# KiCad board SNES_LoROM_Flash_1-1.kicad_pcb
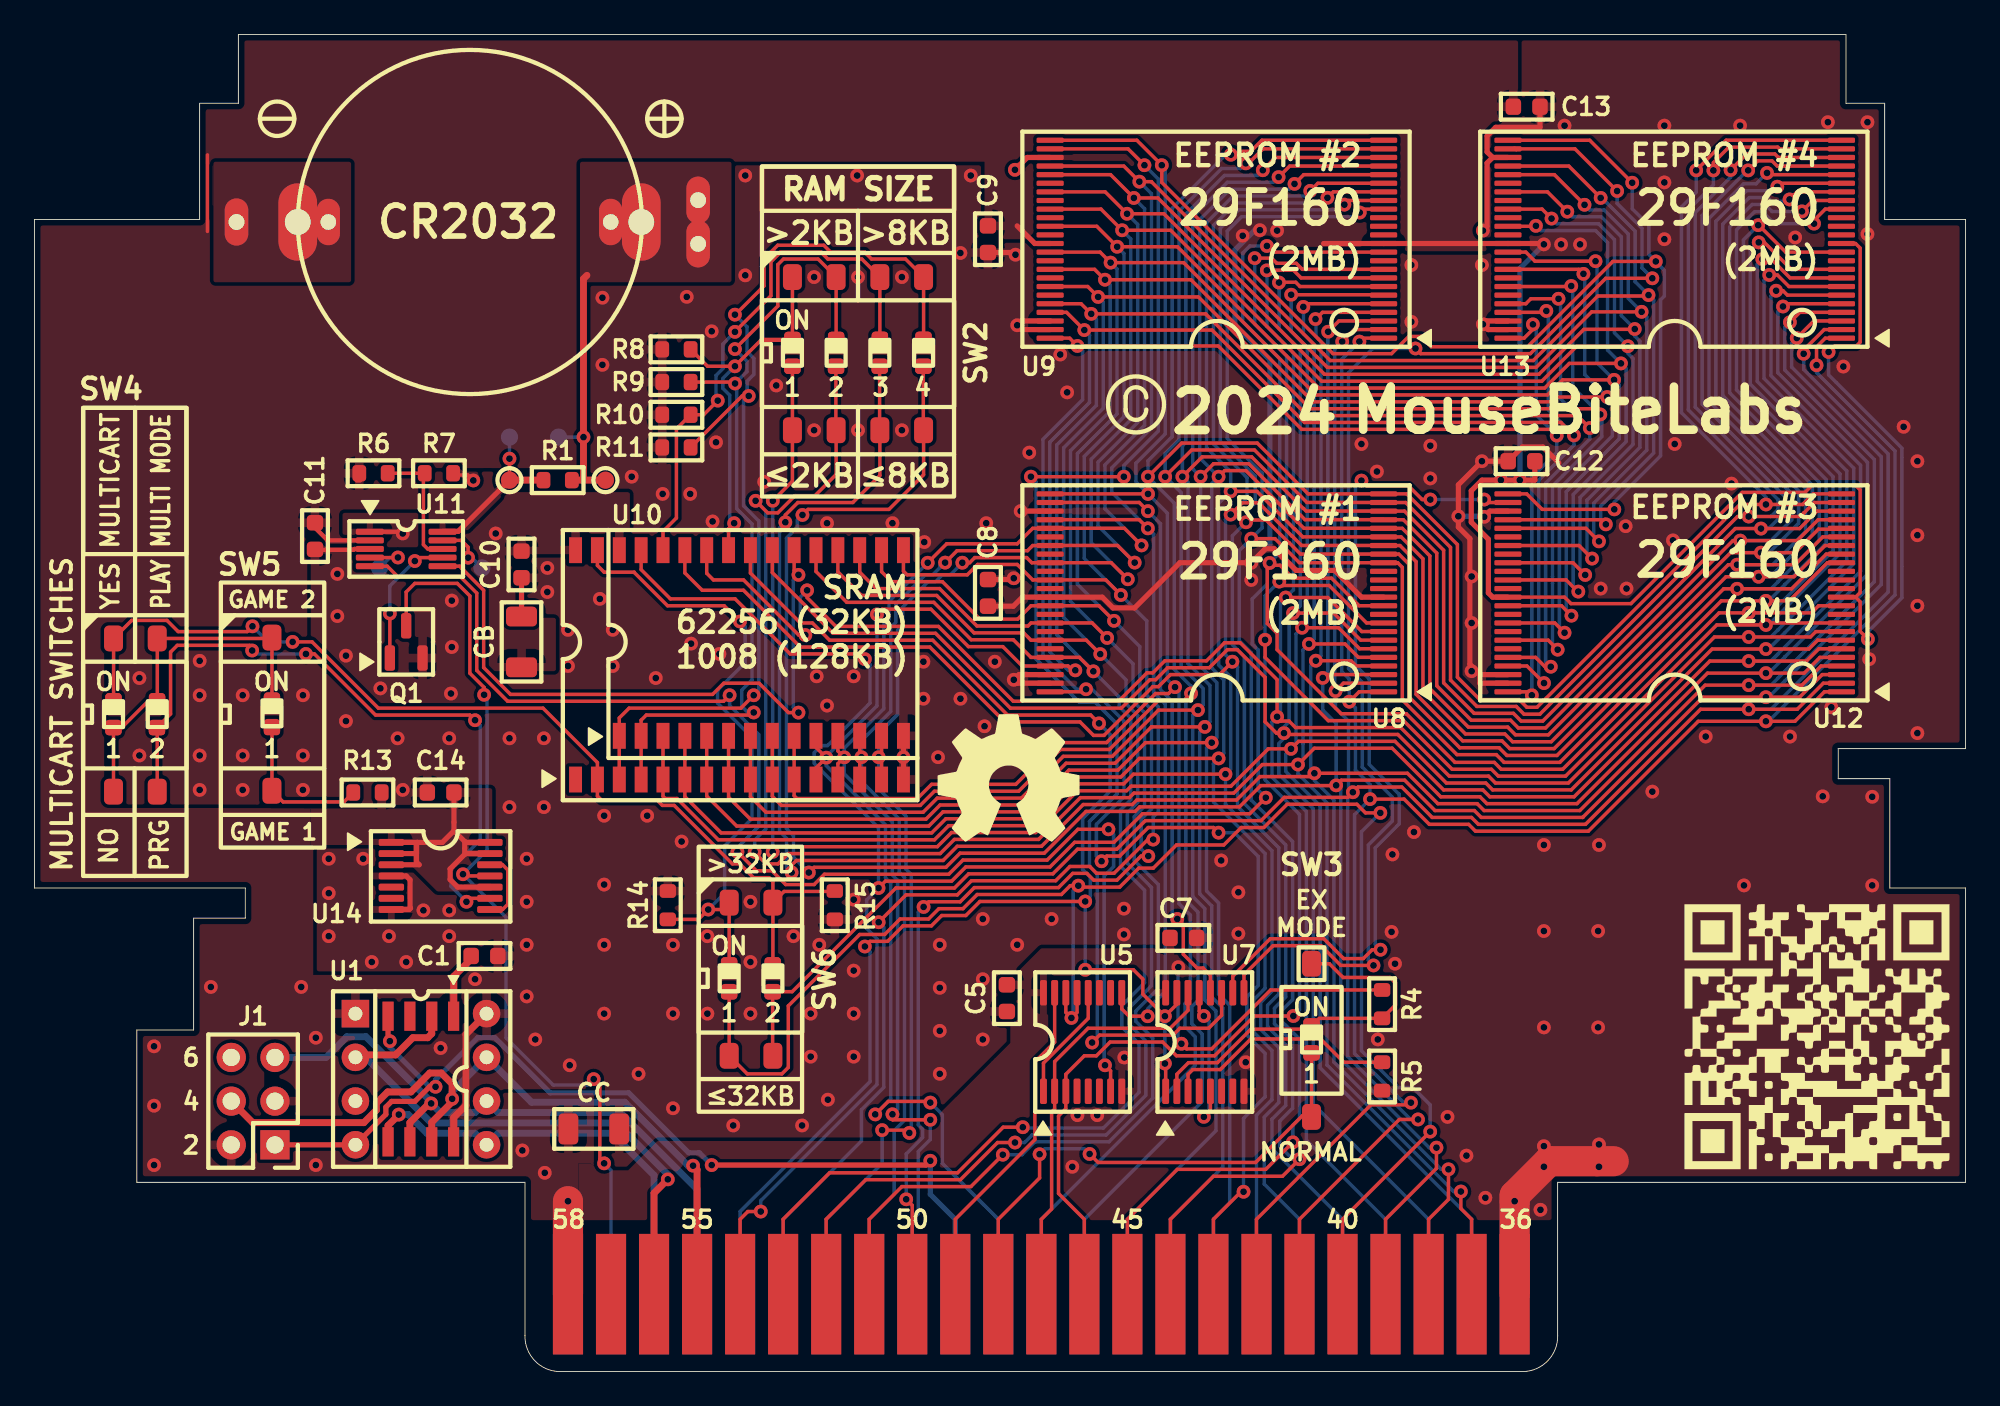
[diagram p0: board, top side]
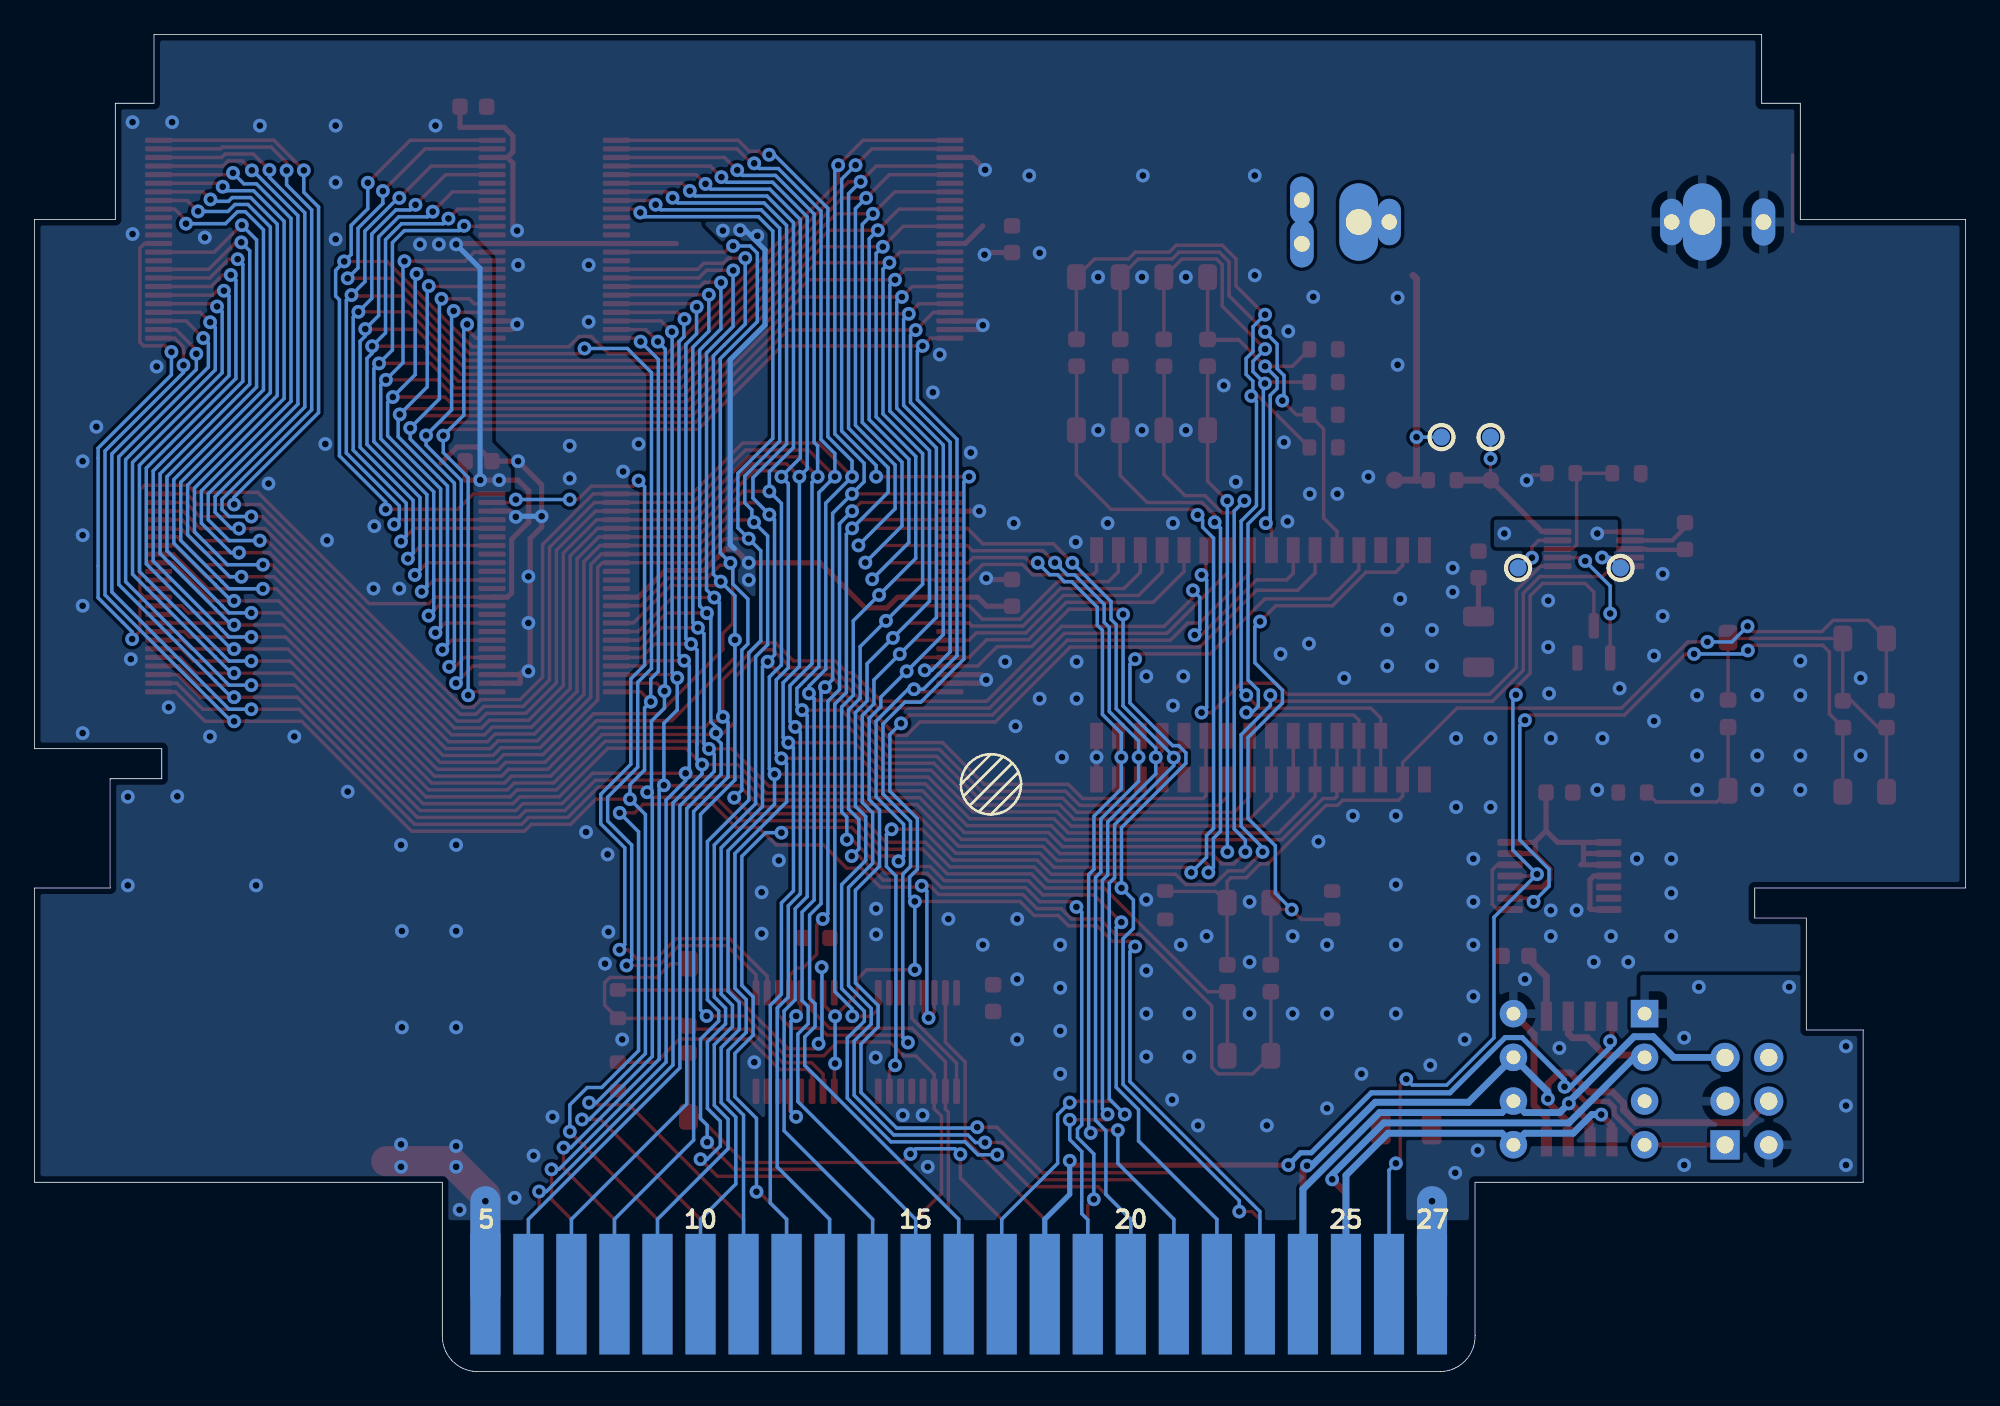
[diagram p1: board, bottom side, seen from below]

Outline 112.2 x 77.7 mm; copper layers: Top, Bottom. Coordinates in mm from the lower left corner of the outline.
Outline path: 25.75,11 5.95,11 5.95,19.85 9.25,19.85 9.25,26.35 12.25,26.35 12.25,28.1 0,28.1 0,66.95 9.6,66.95 9.6,73.7 11.85,73.7 11.85,77.7 105.25,77.7 105.25,73.7 107.5,73.7 107.5,66.95 112.2,66.95 112.2,36.2 104.8,36.2 104.8,34.45 107.8,34.45 107.8,28.1 112.2,28.1 112.2,11 91.25,11
Stack: Top 0.035mm / dielectric 1.51mm FR4 er 4.5 / Bottom 0.035mm

## Placement (name value [footprint] x y rotation side)
BT1  Battery_Cell  [CR_battery]  25.1 66.8 0 top
C1  0.1u  [C_0603_1608Metric_Boxed]  26.15 24.15 0 top
C5  0.1u  [C_0603_1608Metric_Boxed]  56.5 21.7 270 top
C7  0.1u  [C_0603_1608Metric_Boxed]  66.75 25.2 0 top
C8  0.1u  [C_0603_1608Metric_Boxed]  55.4 45.25 90 top
C9  0.1u  [C_0603_1608Metric_Boxed]  55.4 65.8 270 top
C10  0.1u  [C_0603_1608Metric_Boxed]  28.3 46.9 270 top
C11  0.1u  [C_0603_1608Metric_Boxed]  16.3 48.55 270 top
C12  0.1u  [C_0603_1608Metric_Boxed]  86.4 52.9 180 top
C13  0.1u  [C_0603_1608Metric_Boxed]  86.7 73.5 0 top
C14  0.1u  [C_0603_1608Metric_Boxed]  23.6 33.65 180 top
CB  22u  [C_1206_3216Metric_Boxed]  28.3 42.4 90 top
CC  22u  [C_1206_3216Metric_Boxed]  32.5 14.1 0 top
G***  -  [LOGO]  103.6 19.42 0 top
G***#2  -  [LOGO]  56.6 34.5 0 top
G***#3  -  [LOGO]  25.1 66.8 180 bottom
J1  Conn_02x03_Odd_Even  [PinHeader_2x03_P2.54mm_Vertical]  13.97 13.17 180 top
P1  SNES_Cartridge  [Cart_Edge_SNES_Standard]  58.5 4.5 0 top
Q1  2N7002  [SOT-23]  21.6 42.4 90 top
R1  10k  [R_0603_1608Metric_Boxed]  30.4 51.8 180 top
R4  100k  [R_0603_1608Metric_Boxed]  78.3 21.35 270 top
R5  100k  [R_0603_1608Metric_Boxed]  78.3 17.15 270 top
R6  130k  [R_0603_1608Metric_Boxed]  19.7 52.2 0 top
R7  49.9k  [R_0603_1608Metric_Boxed]  23.5 52.2 0 top
R8  100k  [R_0603_1608Metric_Boxed]  37.3 59.4 0 top
R9  100k  [R_0603_1608Metric_Boxed]  37.3 57.5 0 top
R10  100k  [R_0603_1608Metric_Boxed]  37.3 55.6 0 top
R11  100k  [R_0603_1608Metric_Boxed]  37.3 53.7 0 top
R13  10k  [R_0603_1608Metric_Boxed]  19.35 33.65 180 top
R14  100k  [R_0603_1608Metric_Boxed]  36.8 27.1 270 top
R15  100k  [R_0603_1608Metric_Boxed]  46.5 27.1 270 top
RS2A1  0  [R_0603_1608Metric_NoSilk]  44.04 59.2 90 top
RS2B1  0  [R_0603_1608Metric_NoSilk]  46.58 59.2 90 top
RS2C1  0  [R_0603_1608Metric_NoSilk]  49.12 59.2 90 top
RS2D1  0  [R_0603_1608Metric_NoSilk]  51.65 59.2 90 top
RS3  0  [R_0603_1608Metric_NoSilk]  74.2 19.3 90 top
RS4A1  0  [R_0603_1608Metric_NoSilk]  4.59 38.2 90 top
RS4B1  0  [R_0603_1608Metric_NoSilk]  7.12 38.2 90 top
RS5  0  [R_0603_1608Metric_NoSilk]  13.8 38.2 90 top
RS6A1  0  [R_0603_1608Metric_NoSilk]  40.36 22.85 90 top
RS6B1  0  [R_0603_1608Metric_NoSilk]  42.89 22.85 90 top
SW2  SW_DIP_x04  [SPSTx4_SMT_0603]  44.04 54.7 0 top
SW3  SW_SPST  [SPST_SMT_0603]  74.2 14.8 0 top
SW4  SW_DIP_x02  [SPSTx2_SMT_0603]  4.59 33.7 0 top
SW5  SW_SPST  [SPST_SMT_0603]  13.8 33.75 0 top
SW6  SW_DIP_x02  [SPSTx2_SMT_0603]  40.36 18.35 0 top
TP1  TestPoint  [TestPoint_Pad_D1.0mm]  33.17 51.8 0 top
TP2  TestPoint  [TestPoint_Pad_D1.0mm]  27.6 51.8 0 top
TP3  TestPoint  [TestPoint_Pad_D1.0mm]  30.45 54.3 90 bottom
TP4  TestPoint  [TestPoint_Pad_D1.0mm]  27.6 54.3 90 bottom
TP5  TestPoint  [TestPoint_Pad_D1.0mm]  20.05 46.7 180 bottom
TP6  TestPoint  [TestPoint_Pad_D1.0mm]  26 46.7 180 bottom
U1A1  PIC12F629  [SOIC-8W_5.3x5.3mm_P1.27mm]  22.45 17 270 top
U1B1  PIC12F629  [DIP-8_W7.62mm]  18.65 20.8 0 top
U5  74LS139  [TSSOP-16_4.4x5mm_P0.65mm]  60.9 19.15 90 top
U7  74LS139  [TSSOP-16_4.4x5mm_P0.65mm]  68 19.15 90 top
U8  29F160  [TSOP-I-48_18.4x12mm_P0.5mm]  68.7 45.25 180 top
U9  29F160  [TSOP-I-48_18.4x12mm_P0.5mm]  68.7 65.8 180 top
U10  AS6C1008  [SO32L_L]  41.6 42.4 0 top
U11  TPS3613  [MSOP-10_3x3mm_P0.5mm]  21.6 47.8 0 top
U12  29F160  [TSOP-I-48_18.4x12mm_P0.5mm]  95.3 45.25 180 top
U13  29F160  [TSOP-I-48_18.4x12mm_P0.5mm]  95.3 65.8 180 top
U14  74HC74  [TSSOP-14_4.4x5mm_P0.65mm]  23.6 28.8 0 top

## Library data of the parts
BT1 = -: Description: Single-cell battery
C1 C5 C7-C14 CB CC = -: Description: Unpolarized capacitor; ki_fp_filters: C_*
J1 = -: Description: Generic connector, double row, 02x03, odd/even pin numbering scheme (row 1 odd numbers, row 2 even numbers), script generated (kicad-library-utils/schlib/autogen/connector/); ki_fp_filters: Connector*:*_2x??_*
Q1 = -: Datasheet: https://www.onsemi.com/pub/Collateral/NDS7002A-D.PDF; Description: 0.115A Id, 60V Vds, N-Channel MOSFET, SOT-23; ki_fp_filters: SOT?23*
R1 R4-R11 R13-R15 RS2A1 RS2B1 RS2C1 RS2D1 RS3 RS4A1 RS4B1 RS5 RS6A1 RS6B1 = -: Description: Resistor; ki_fp_filters: R_*
SW2 = -: Description: 4x DIP Switch, Single Pole Single Throw (SPST) switch, small symbol; ki_fp_filters: SW?DIP?x4*
SW3 SW5 = -: Description: Single Pole Single Throw (SPST) switch
SW4 SW6 = -: Description: 2x DIP Switch, Single Pole Single Throw (SPST) switch, small symbol; ki_fp_filters: SW?DIP?x2*
TP1-TP6 = -: Description: test point; ki_fp_filters: Pin* Test*
U1A1 U1B1 = -: Datasheet: https://ww1.microchip.com/downloads/en/DeviceDoc/41190G.pdf; Description: 1024W Flash, 64B SRAM, 128B EEPROM, PDIP-8; ki_fp_filters: DIP*W7.62mm*
U5 U7 = -: Datasheet: http://www.ti.com/lit/ds/symlink/sn74ls139a.pdf; Description: Dual Decoder 1 of 4, Active low outputs; ki_fp_filters: DIP?16*
U8 U9 U12 U13 = -: Datasheet: https://pdf1.alldatasheet.com/datasheet-pdf/download/22894/STMICROELECTRONICS/M29F160BB.html; Description: 16 Mbit Flash; ki_fp_filters: DIP*W15.24mm* PLCC*
U10 = -: ki_fp_filters: DIP*W15.24mm*
U14 = -: Datasheet: 74xx/74hc_hct74.pdf; Description: Dual D Flip-flop, Set & Reset; ki_fp_filters: DIP*W7.62mm*

## Footprints (pads in the part's own frame, mm; a bottom-side part is the same pattern mirrored in y, then rotated)
C_0603_1608Metric_Boxed
  rrect 0.9x0.95 smd: 1(-0.775,0) 2(0.775,0)
C_1206_3216Metric_Boxed
  rrect 1.15x1.8 smd: 1(-1.475,0) 2(1.475,0)
Cart_Edge_SNES_Standard
  rect 1.75x7 smd far side: 5(27.5,0) 6(25,0) 7(22.5,0) 8(20,0) 9(17.5,0) 10(15,0) 11(12.5,0) 12(10,0) 13(7.5,0) 14(5,0) 15(2.5,0) 16(0,0) 17(-2.5,0) 18(-5,0) 19(-7.5,0) 20(-10,0) 21(-12.5,0) 22(-15,0) 23(-17.5,0) 24(-20,0) 25(-22.5,0) 26(-25,0) 27(-27.5,0)
  rect 1.75x7 smd: 36(27.5,0) 37(25,0) 38(22.5,0) 39(20,0) 40(17.5,0) 41(15,0) 42(12.5,0) 43(10,0) 44(7.5,0) 45(5,0) 46(2.5,0) 47(0,0) 48(-2.5,0) 49(-5,0) 50(-7.5,0) 51(-10,0) 52(-12.5,0) 53(-15,0) 54(-17.5,0) 55(-20,0) 56(-22.5,0) 57(-25,0) 58(-27.5,0)
CR_battery
  oval 1.35x2.7 hole 0.9: 1(8.382,0) 2(-8.024,0)
  oval 2.248x4.496 hole 1.499: 1(10.16,0) 2(-9.802,0)
  oval 1.372x2.743 hole 0.914: 1(13.462,1.27) 1(13.462,-1.27) 2(-13.358,0)
DIP-8_W7.62mm
  rect 1.6x1.6 hole 0.8: 1(0,0)
  oval 1.6x1.6 hole 0.8: 2(0,-2.54) 3(0,-5.08) 4(0,-7.62) 5(7.62,-7.62) 6(7.62,-5.08) 7(7.62,-2.54) 8(7.62,0)
MSOP-10_3x3mm_P0.5mm
  rrect 1.625x0.35 smd: 1(-2.112,1) 2(-2.112,0.5) 3(-2.112,0) 4(-2.112,-0.5) 5(-2.112,-1) 6(2.112,-1) 7(2.112,-0.5) 8(2.112,0) 9(2.112,0.5) 10(2.112,1)
PinHeader_2x03_P2.54mm_Vertical
  rect 1.7x1.7 hole 1: 1(0,0)
  oval 1.7x1.7 hole 1: 2(2.54,0) 3(0,-2.54) 4(2.54,-2.54) 5(0,-5.08) 6(2.54,-5.08)
R_0603_1608Metric_Boxed
  rrect 0.8x0.95 smd: 1(-0.825,0) 2(0.825,0)
R_0603_1608Metric_NoSilk
  rrect 0.8x0.95 smd: 1(-0.825,0) 2(0.825,0)
SO32L_L
  rect 0.75x1.5 smd: 1(-10.16,-7.997) 2(-8.89,-7.997) 3(-7.62,-5.457) 3(-7.62,-7.997) 4(-6.35,-5.457) 4(-6.35,-7.997) 5(-5.08,-5.457) 5(-5.08,-7.997) 6(-3.81,-5.457) 6(-3.81,-7.997) 7(-2.54,-5.457) 7(-2.54,-7.997) 8(-1.27,-5.457) 8(-1.27,-7.997) 9(0,-5.457) 9(0,-7.997) 10(1.27,-5.457) 10(1.27,-7.997) 11(2.54,-5.457) 11(2.54,-7.997) 12(3.81,-5.457) 12(3.81,-7.997) 13(5.08,-5.457) 13(5.08,-7.997) 14(6.35,-5.457) 14(6.35,-7.997) 15(7.62,-5.457) 15(7.62,-7.997) 16(8.89,-5.457) 16(8.89,-7.997) 17(8.89,5.33) 18(7.62,5.33) 19(6.35,5.33) 20(5.08,5.33) 21(3.81,5.33) 22(2.54,5.33) 23(1.27,5.33) 24(0,5.33) 25(-1.27,5.33) 26(-2.54,5.33) 27(-3.81,5.33) 28(-5.08,5.33) 29(-6.35,5.33) 30(-7.62,5.33) 31(-8.89,5.33) 32(-10.16,5.33)
SOIC-8W_5.3x5.3mm_P1.27mm
  rect 1.7x0.65 smd: 1(-3.65,1.905) 2(-3.65,0.635) 3(-3.65,-0.635) 4(-3.65,-1.905) 5(3.65,-1.905) 6(3.65,-0.635) 7(3.65,0.635) 8(3.65,1.905)
SOT-23
  rrect 1.475x0.6 smd: 1(-0.938,0.95) 2(-0.938,-0.95) 3(0.938,0)
SPST_SMT_0603
  rrect 0.95x0.9 smd: 1(0,3.725) 2(0,5.275)
  rrect 1.1x1.5 smd: 1(0,0) 2(0,8.9)
SPSTx2_SMT_0603
  rrect 0.95x0.9 smd: 1(0,3.725) 2(2.525,3.725) 3(2.54,5.275) 4(0,5.275)
  rrect 1.1x1.5 smd: 1(0,0) 2(2.54,0) 3(2.54,8.9) 4(0,8.9)
SPSTx4_SMT_0603
  rrect 0.95x0.9 smd: 1(0,3.725) 2(2.525,3.725) 3(5.065,3.725) 4(7.605,3.725) 5(7.62,5.275) 6(5.08,5.275) 7(2.54,5.275) 8(0,5.275)
  rrect 1.1x1.5 smd: 1(0,0) 2(2.54,0) 3(5.08,0) 4(7.62,0) 5(7.62,8.9) 6(5.08,8.9) 7(2.54,8.9) 8(0,8.9)
TestPoint_Pad_D1.0mm
  round 1 smd: 1(0,0)
TSOP-I-48_18.4x12mm_P0.5mm
  rrect 1.575x0.3 smd: 1(-9.688,5.75) 2(-9.688,5.25) 3(-9.688,4.75) 4(-9.688,4.25) 5(-9.688,3.75) 6(-9.688,3.25) 7(-9.688,2.75) 8(-9.688,2.25) 9(-9.688,1.75) 10(-9.688,1.25) 11(-9.688,0.75) 12(-9.688,0.25) 13(-9.688,-0.25) 14(-9.688,-0.75) 15(-9.688,-1.25) 16(-9.688,-1.75) 17(-9.688,-2.25) 18(-9.688,-2.75) 19(-9.688,-3.25) 20(-9.688,-3.75) 21(-9.688,-4.25) 22(-9.688,-4.75) 23(-9.688,-5.25) 24(-9.688,-5.75) 25(9.688,-5.75) 26(9.688,-5.25) 27(9.688,-4.75) 28(9.688,-4.25) 29(9.688,-3.75) 30(9.688,-3.25) 31(9.688,-2.75) 32(9.688,-2.25) 33(9.688,-1.75) 34(9.688,-1.25) 35(9.688,-0.75) 36(9.688,-0.25) 37(9.688,0.25) 38(9.688,0.75) 39(9.688,1.25) 40(9.688,1.75) 41(9.688,2.25) 42(9.688,2.75) 43(9.688,3.25) 44(9.688,3.75) 45(9.688,4.25) 46(9.688,4.75) 47(9.688,5.25) 48(9.688,5.75)
TSSOP-14_4.4x5mm_P0.65mm
  rrect 1.475x0.4 smd: 1(-2.862,1.95) 2(-2.862,1.3) 3(-2.862,0.65) 4(-2.862,0) 5(-2.862,-0.65) 6(-2.862,-1.3) 7(-2.862,-1.95) 8(2.862,-1.95) 9(2.862,-1.3) 10(2.862,-0.65) 11(2.862,0) 12(2.862,0.65) 13(2.862,1.3) 14(2.862,1.95)
TSSOP-16_4.4x5mm_P0.65mm
  rrect 1.475x0.4 smd: 1(-2.862,2.275) 2(-2.862,1.625) 3(-2.862,0.975) 4(-2.862,0.325) 5(-2.862,-0.325) 6(-2.862,-0.975) 7(-2.862,-1.625) 8(-2.862,-2.275) 9(2.862,-2.275) 10(2.862,-1.625) 11(2.862,-0.975) 12(2.862,-0.325) 13(2.862,0.325) 14(2.862,0.975) 15(2.862,1.625) 16(2.862,2.275)

## Nets
+5V: C1.1 C5.1 C7.1 C8.1 C9.1 C11.1 C12.1 C13.1 C14.1 CC.1 J1.2 P1.27 P1.58 R4.1 R6.1 R13.1 U1A1.1 U1B1.1 U5.16 U7.16 U8.12 U8.37 U9.12 U9.37 U11.2 U12.12 U12.37 U13.12 U13.37 U14.1 U14.2 U14.3 U14.10 U14.13 U14.14
GND: BT1.2 C1.2 C5.2 C7.2 C8.2 C9.2 C10.2 C11.2 C12.2 C13.2 C14.2 CB.2 CC.2 J1.3 P1.5 P1.36 Q1.2 R5.2 R7.2 R8.1 R9.1 R10.1 R11.1 R14.1 R15.2 U1A1.8 U1B1.8 U5.8 U7.8 U8.27 U8.46 U8.47 U9.27 U9.46 U9.47 U10.16 U11.3 U12.27 U12.46 U12.47 U13.27 U13.46 U13.47 U14.4 U14.7
+BATT: R1.2 TP2.1 TP4.1 U11.10
+VSW: C10.1 CB.1 U10.30 U10.32 U11.1
/A_{0}: P1.17 U8.45 U9.45 U10.12 U12.45 U13.45
/A_{1}: P1.16 U8.25 U9.25 U10.11 U12.25 U13.25
/A_{2}: P1.15 U8.24 U9.24 U10.10 U12.24 U13.24
/A_{3}: P1.14 U8.23 U9.23 U10.9 U12.23 U13.23
/A_{4}: P1.13 U8.22 U9.22 U10.8 U12.22 U13.22
/A_{5}: P1.12 U8.21 U9.21 U10.7 U12.21 U13.21
/A_{6}: P1.11 U8.20 U9.20 U10.6 U12.20 U13.20
/A_{7}: P1.10 U8.19 U9.19 U10.5 U12.19 U13.19
/A_{8}: P1.9 U8.18 U9.18 U10.27 U12.18 U13.18
/A_{9}: P1.8 U8.8 U9.8 U10.26 U12.8 U13.8
/A_{10}: P1.7 U8.7 U9.7 U10.23 U12.7 U13.7
/A_{11}: P1.6 RS2A1.1 SW2.1 U8.6 U9.6 U12.6 U13.6
/A_{12}: P1.37 RS2B1.1 SW2.2 U8.5 U9.5 U12.5 U13.5
/A_{13}: P1.38 RS2C1.1 SW2.3 U8.4 U9.4 U12.4 U13.4
/A_{14}: P1.39 RS2D1.1 SW2.4 U8.3 U9.3 U12.3 U13.3
/A_{15}: P1.40 RS6A1.1 SW6.1 U5.13 U5.14
/BA_{0}: P1.41 RS6B1.1 SW6.2 U8.2 U9.2 U12.2 U13.2
/BA_{1}: P1.42 U8.1 U9.1 U12.1 U13.1
/BA_{2}: P1.43 U8.48 U9.48 U12.48 U13.48
/BA_{3}: P1.44 U8.17 U9.17 U12.17 U13.17
/BA_{4}: P1.45 U8.16 U9.16 U12.16 U13.16
/BA_{5}: P1.46 U5.3 U8.9 U9.9 U12.9 U13.9
/BA_{6}: P1.47 U5.2 U7.14
/BA_{7}: P1.48 RS3.1 SW3.1
/CIC.CLK: P1.56 U1A1.2 U1B1.2
/CIC.D_{0}: J1.4 P1.55 U1A1.7 U1B1.7
/CIC.D_{1}: J1.5 P1.24 U1A1.6 U1B1.6
/CIC.RST: P1.25 U1A1.5 U1B1.5
/D_{0}: P1.19 U8.29 U9.29 U10.13 U12.29 U13.29
/D_{1}: P1.20 U8.31 U9.31 U10.14 U12.31 U13.31
/D_{2}: P1.21 U8.33 U9.33 U10.15 U12.33 U13.33
/D_{3}: P1.22 U8.35 U9.35 U10.17 U12.35 U13.35
/D_{4}: P1.50 U8.38 U9.38 U10.18 U12.38 U13.38
/D_{5}: P1.51 U8.40 U9.40 U10.19 U12.40 U13.40
/D_{6}: P1.52 U8.42 U9.42 U10.20 U12.42 U13.42
/D_{7}: P1.53 U8.44 U9.44 U10.21 U12.44 U13.44
/FF_{OUT}: RS4B1.1 SW4.2 U14.9
/MULTI: RS4A1.1 RS4B1.2 RS5.2 SW4.1 SW4.3 SW5.2
/MULTI_{PU}: R13.2 RS5.1 SW5.1
/RAM.MULTI: R15.1 RS4A1.2 RS6B1.2 SW4.4 SW6.3 U10.2
/RAM.~{CE}: U5.7 U11.5
/RAM/A_{11SW}: R8.2 RS2A1.2 SW2.8 U10.25
/RAM/A_{12SW}: R9.2 RS2B1.2 SW2.7 U10.4
/RAM/A_{13SW}: R10.2 RS2C1.2 SW2.6 U10.28
/RAM/A_{14SW}: R11.2 RS2D1.2 SW2.5 U10.3
/RAM/A_{15SW}: R14.2 RS6A1.2 SW6.4 U10.31
/RAM/RAM.~{CE}_{G}: U10.22 U11.6
/ROM.BA_{7}: R4.2 RS3.2 SW3.2 U7.2
/ROM.~{OE}: U5.9 U8.28 U9.28 U12.28 U13.28
/ROM/ROM.MULTI: R5.1 U7.3
/ROM/~{CE1}: U7.12 U8.26
/ROM/~{CE2}: U7.11 U9.26
/ROM/~{CE3}: U7.10 U12.26
/ROM/~{CE4}: U7.9 U13.26
/~{IRQ}: J1.1 P1.18 U1A1.4 U1B1.4
/~{RD}: P1.23 U7.1 U7.15 U10.24
/~{RESET}: P1.26 Q1.3 U14.11
/~{ROMSEL}: P1.49 U5.15
/~{WR}: P1.54 U8.11 U9.11 U10.29 U12.11 U13.11
Net-(BT1-+): BT1.1 R1.1 TP1.1 TP3.1
Net-(Q1-G): Q1.1 U11.7
Net-(U5A-E): U5.1 U5.12
Net-(U7A-O1): U7.5 U7.13
Net-(U11-SENSE): R6.2 R7.1 U11.8
Net-(U11-~{MR}): TP5.1 U11.4
Net-(U11-~{RESET}): TP6.1 U11.9
Net-(U14B-D): U14.8 U14.12

Pads without a net: J1 6; P1 57; U1A1 3; U1B1 3; U5 4 5 6 10 11; U7 4 6 7; U8 10 13 14 15 30 32 34 36 39 41 43; U9 10 13 14 15 30 32 34 36 39 41 43; U10 1; U12 10 13 14 15 30 32 34 36 39 41 43; U13 10 13 14 15 30 32 34 36 39 41 43; U14 5 6

## Via types
v1: diameter 0.8, hole 0.4, Top to Bottom, 509 vias

## Routing (per net, layer and track width the routed paths; a pad name or vN(x,y) marks a point on that pad's centre or on a via; arc(x,y) is an arc through that point)
+5V: length 213.6
  Top w0.2: R4.1 71.82,22.17 68.4,18.75 66.94,18.75 v1(66.64,19.05) ; U12.37 88.9,45 89.28,44.62 92.76,44.62 99.22,51.09 102.87,51.09 103.28,51.5 105.81,51.5 106.07,51.23 106.07,45.27 105.81,45 ; v1(106.52,42.56) 106.07,43.01 106.07,44.73 105.81,45 ; v1(104.24,59.25) 104.59,59.6 105.86,59.6 106.07,59.82 106.07,65.28 105.81,65.55 U13.12 ; 10.05,70.7 10.05,66.25 ; 105.81,45 U12.12
  Top w0.25: C11.1 16.3,49.04 17.04,48.3 U11.2 ; 18.92,51.78 18.72,51.78 ; U8.12 78.39,45
  Top w0.3: 86.07,51.8 84.1,51.8 83.48,51.18 83.48,49.36 84.47,48.36 84.47,45.25 84.72,45 U12.37 ; 86.07,51.8 87.17,51.8 C12.1 ; 86.07,51.8 v1(86.3,51.8) ; 22.25,30.75 23.7,30.75 24.38,31.42 ; 22.25,30.75 U14.1 ; 22.25,30.75 22.2,30.7 ; 57.1,66.57 58.12,65.55 U9.37 ; 22.2,30.7 22.2,29.6 22.35,29.45 U14.3 ; 22.2,30.7 22.2,30.1 U14.2 ; 83.4,65.55 83.9,65.55 ; 83.9,65.55 U13.37 87.65,65.55 v1(87.7,65.5) ; 83.9,65.55 U9.12 74.9,65.55 ; 25,30.06 24.15,29.21 24.15,28.59 24.59,28.15 U14.10 ; 25,30.06 25,30.8 ; 25,30.06 25.04,30.1 U14.13 ; 71.53,47.81 71.51,47.81 v1(70.7,47) ; 71.53,47.81 72.03,47.81 72.54,47.3 72.56,47.3 73.31,46.55 75.55,46.55 77.1,45 U8.12 ; 71.53,47.81 70.71,47 66.55,47 63.92,44.38 62.67,44.38 62.04,45 U8.37 57.4,45 56.88,44.47 C8.1 ; 25,30.8 25.05,30.75 U14.14 ; 25,30.8 24.38,31.42 ; 24.38,31.42 C14.1 ; v1(71.2,66.33) 71.33,66.2 ; 31.02,9.92 v1(31,9.9)
  Top w0.4: 25.38,24.15 25.38,23.97 24.35,22.95 U1A1.1
  Top w0.5: 56.3,22.67 C5.1 56.7,22.67
  Top w1.75: v1(31,9.9) P1.27
  Bottom w0.2: v1(106.52,42.56) 106.52,42.99 108.5,44.97 108.5,53.66 104.24,57.92 v1(104.24,59.25) ; v1(66.64,19.05) 66.45,19.24 66.45,23.48 v1(66.46,23.5)
  Bottom w0.3: v1(71.2,66.33) 70.9,66.33 69.75,65.18 69.75,60.82 71.78,58.79 71.78,48.06 71.53,47.81 ; v1(86.3,51.8) 86.31,51.81 86.31,64.11 v1(87.7,65.5)
  Bottom w1.75: v1(31,9.9) 31,4.45
  vias: v1(6.95,18.9) v1(6.95,15.45) v1(6.95,12) v1(10.25,22.35) v1(15.5,22.35) v1(16.35,19.4) v1(16.35,12) v1(28.35,12.85) v1(29.65,11.55) v1(70.2,66) v1(70.7,46) v1(72.2,66.3) v1(85.2,51.8) v1(88.7,65.5) v1(89.8,65.5)
GND: length 96.3
  Top w0.2: 24.32,52.2 24.42,52.1 25.18,52.1 v1(25.5,51.78)
  Top w0.25: C11.2 16.32,47.75 18.54,47.75 18.59,47.8 U11.3
  Top w0.3: U8.47 57.1,40 v1(56.9,40.2) 57.2,40.5 U8.46 ; C9.2 56.88,65.03 v1(57,64.9) ; U9.27 57.68,70.55 v1(56.97,69.83) ; 84.72,70.55 84.4,70.23 84.4,66.54 v1(84.16,66.3) ; 84.72,70.55 84.4,70.87 84.4,71.8 84.9,72.3 87.47,72.3 C13.2 ; 84.72,70.55 U13.27 ; v1(56.9,46.1) 56.82,46.02 55.4,46.02 ; U12.27 84.56,50 v1(84.23,49.67) ; 90.88,12.3 90.8,12.22 ; U12.47 83.97,40 83.97,40.52 ; U14.4 21.6,28.8 21.82,28.58 21.82,26.95 21.85,26.92 21.77,26.85 U14.7 ; 57.35,61.05 57.35,60.55 U9.47 ; 57.35,61.05 v1(57.1,60.8) ; 57.35,61.05 U9.46 ; 83.97,40.52 84,40.5 U12.46 ; 83.97,40.52 83.4,41.1 83.4,48.4 82.73,49.07 v1(82.73,49.7) 82.73,51.53 v1(84.1,52.9) C12.2 86.45,53.72 87.64,53.72 88.57,52.8 ; U13.47 84.46,60.55 v1(84.16,60.86) 84.35,61.05 U13.46 ; C10.2 28.3,43.88 ; 91.98,12 91.76,12.22 ; v1(57.3,50) U8.27 ; U10.16 U10.16
  Top w0.4: U1B1.8 25.07,19.6 25.07,15.47 24.35,14.75 U1A1.8 ; v1(63.32,18.25) 63.17,18.1 ; v1(70.38,17.97) 70.28,17.88
  Top w1.75: 91.76,12.22 87.99,12.22 86,10.23 v1(86,9.9) P1.5
  Bottom w0.2: 69.95,25.35 v1(69.95,25.45)
  Bottom w0.3: 50.6,35.59 v1(50.49,35.7) ; 84.16,53.06 84.1,53 v1(84.1,52.9) ; 84.1,60.8 v1(84.16,60.86) ; v1(56.97,69.83) 57,69.8 ; v1(82.73,49.7) 84.2,49.7 v1(84.23,49.67)
  Bottom w1.75: P1.5 v1(86,9.9)
  vias: v1(6.1,40.3) v1(6.1,35.8) v1(9.6,41.3) v1(9.6,39.3) v1(9.6,35.8) v1(9.6,33.8) v1(12.1,39.3) v1(12.1,35.8) v1(12.1,33.8) v1(15.6,39.3) v1(15.6,35.8) v1(15.6,33.8) v1(17.1,29.8) v1(17.1,27.8) v1(17.1,25.3) v1(17.6,46.35) v1(17.6,43.9) v1(18.1,41.6) v1(18.1,37.8) v1(19.1,29.8) v1(19.6,23.8) v1(20.1,39.7) v1(20.6,25.3) v1(21.1,36.8) v1(21.4,33.8) v1(21.6,23.8) v1(22.6,26.8) v1(23.6,18.8) v1(24.1,36.8) v1(24.1,26.8) v1(24.1,25.3) v1(24.2,39.4) v1(24.25,44.8) v1(24.25,42.1) v1(25.6,22.8) v1(27.6,36.8) v1(27.6,32.8) v1(28.6,29.8) v1(28.6,27.3) v1(28.6,24.8) v1(28.6,21.8) v1(29.1,19.3) v1(29.6,36.8) v1(29.6,32.8) v1(29.8,46.7) v1(29.8,45.3) v1(31,43.1) v1(31,41) v1(31.1,17.8) v1(32.85,44.9) v1(33,62.4) v1(33,58.5) v1(33.1,32.3) v1(33.1,28.3) v1(33.1,24.8) v1(33.1,20.8) v1(33.6,43.1) v1(33.6,41) v1(34.7,52) v1(35.1,17.3) v1(35.6,32.3) v1(36.1,40.3) v1(36.5,51) v1(37.1,24.8) v1(37.1,20.8) v1(37.1,15.3) v1(37.6,30.8) v1(37.9,62.45) v1(38.1,51) v1(38.15,42.3) v1(39.1,25.3) v1(39.1,20.8) v1(39.35,60.45) v1(39.4,49.4) v1(39.6,54) v1(39.8,41.7) v1(40.6,14.3) v1(41.3,69.5) v1(41.3,63.7) v1(41.6,27.3) v1(41.6,23.8) v1(41.6,20.8) v1(42.4,51.7) v1(43.1,57.3) v1(44.1,25.3) v1(44.6,14.3) v1(45.1,20.8) v1(45.1,18.3) v1(45.3,63.6) v1(45.3,54.7) v1(45.45,40.4) v1(45.6,24.8) v1(46.05,49.3) v1(46.05,38.7) v1(46.1,15.8) v1(47.6,40.4) v1(47.6,27.42) v1(47.6,23.3) v1(47.6,20.8) v1(47.6,18.3) v1(47.8,69.5) v1(47.85,63.6) v1(47.85,54.7) v1(49.85,49.3) v1(50.4,63.6) v1(50.4,54.7) v1(51.7,48.2) v1(51.65,41.25) v1(51.65,39.1) v1(52.5,35.7) v1(52.6,24.8) v1(52.6,22.3) v1(52.6,19.8) v1(52.6,17.3) v1(53.8,65) v1(53.8,39.1) v1(54.4,69.5) v1(55.1,26.3) v1(55.1,22.8) v1(55.1,19.3) v1(55.2,37.5) v1(55.3,49.3) v1(55.8,41.25) v1(57.1,24.8) v1(57.8,53.4) v1(59.1,26.3) v1(59.6,59.1) v1(60,56.9) v1(60.3,11.9) v1(60.6,14.9) v1(61.75,14.9) v1(63.3,26.9) v1(63.3,25.4) v1(68.95,29.7) v1(69.95,27.85) v1(77.1,53.9) v1(78,52.3) v1(78.05,19.3) v1(78.85,25.55) v1(78.9,30.05) v1(79.05,23.7) v1(80,64.3) v1(80,61) v1(80.15,31.35) v1(81.1,53.8) v1(81.1,51.9) v1(82.1,14.8) v1(83.2,12.55) v1(83.5,46.2) v1(83.5,43.5) v1(83.5,40.7) v1(84.1,64.3) v1(84.3,10.1) v1(87.5,9.4) v1(87.7,30.6) v1(87.7,25.6) v1(87.7,20) v1(87.7,13.1) v1(87.7,11.9) v1(88.9,72.4) v1(90.85,25.6) v1(90.85,20) v1(90.9,30.6) v1(90.9,13.2) v1(90.9,11.9) v1(91,45.5) v1(92.45,49.12) v1(92.5,45.5) v1(94,33.7) v1(94.7,72.4) v1(94.7,69.1) v1(94.7,65.8) v1(95.2,48.3) v1(95.3,53.9) v1(97.1,36.9) v1(98.6,51.6) v1(99.1,72.4) v1(99.32,28.25) v1(102,36.9) v1(102.3,65.9) v1(103.9,33.42) v1(104.2,72.6) v1(104.4,38.6) v1(105.1,58.4) v1(106.5,72.6) v1(106.5,66.1) v1(106.6,41.4) v1(106.78,33.4) v1(106.78,28.25) v1(108.6,54.9) v1(109.4,52.9) v1(109.4,48.6) v1(109.4,44.5) v1(109.4,37.1)